# Altium PCB duo_x.PcbDoc (part 1 of 3) (continued)
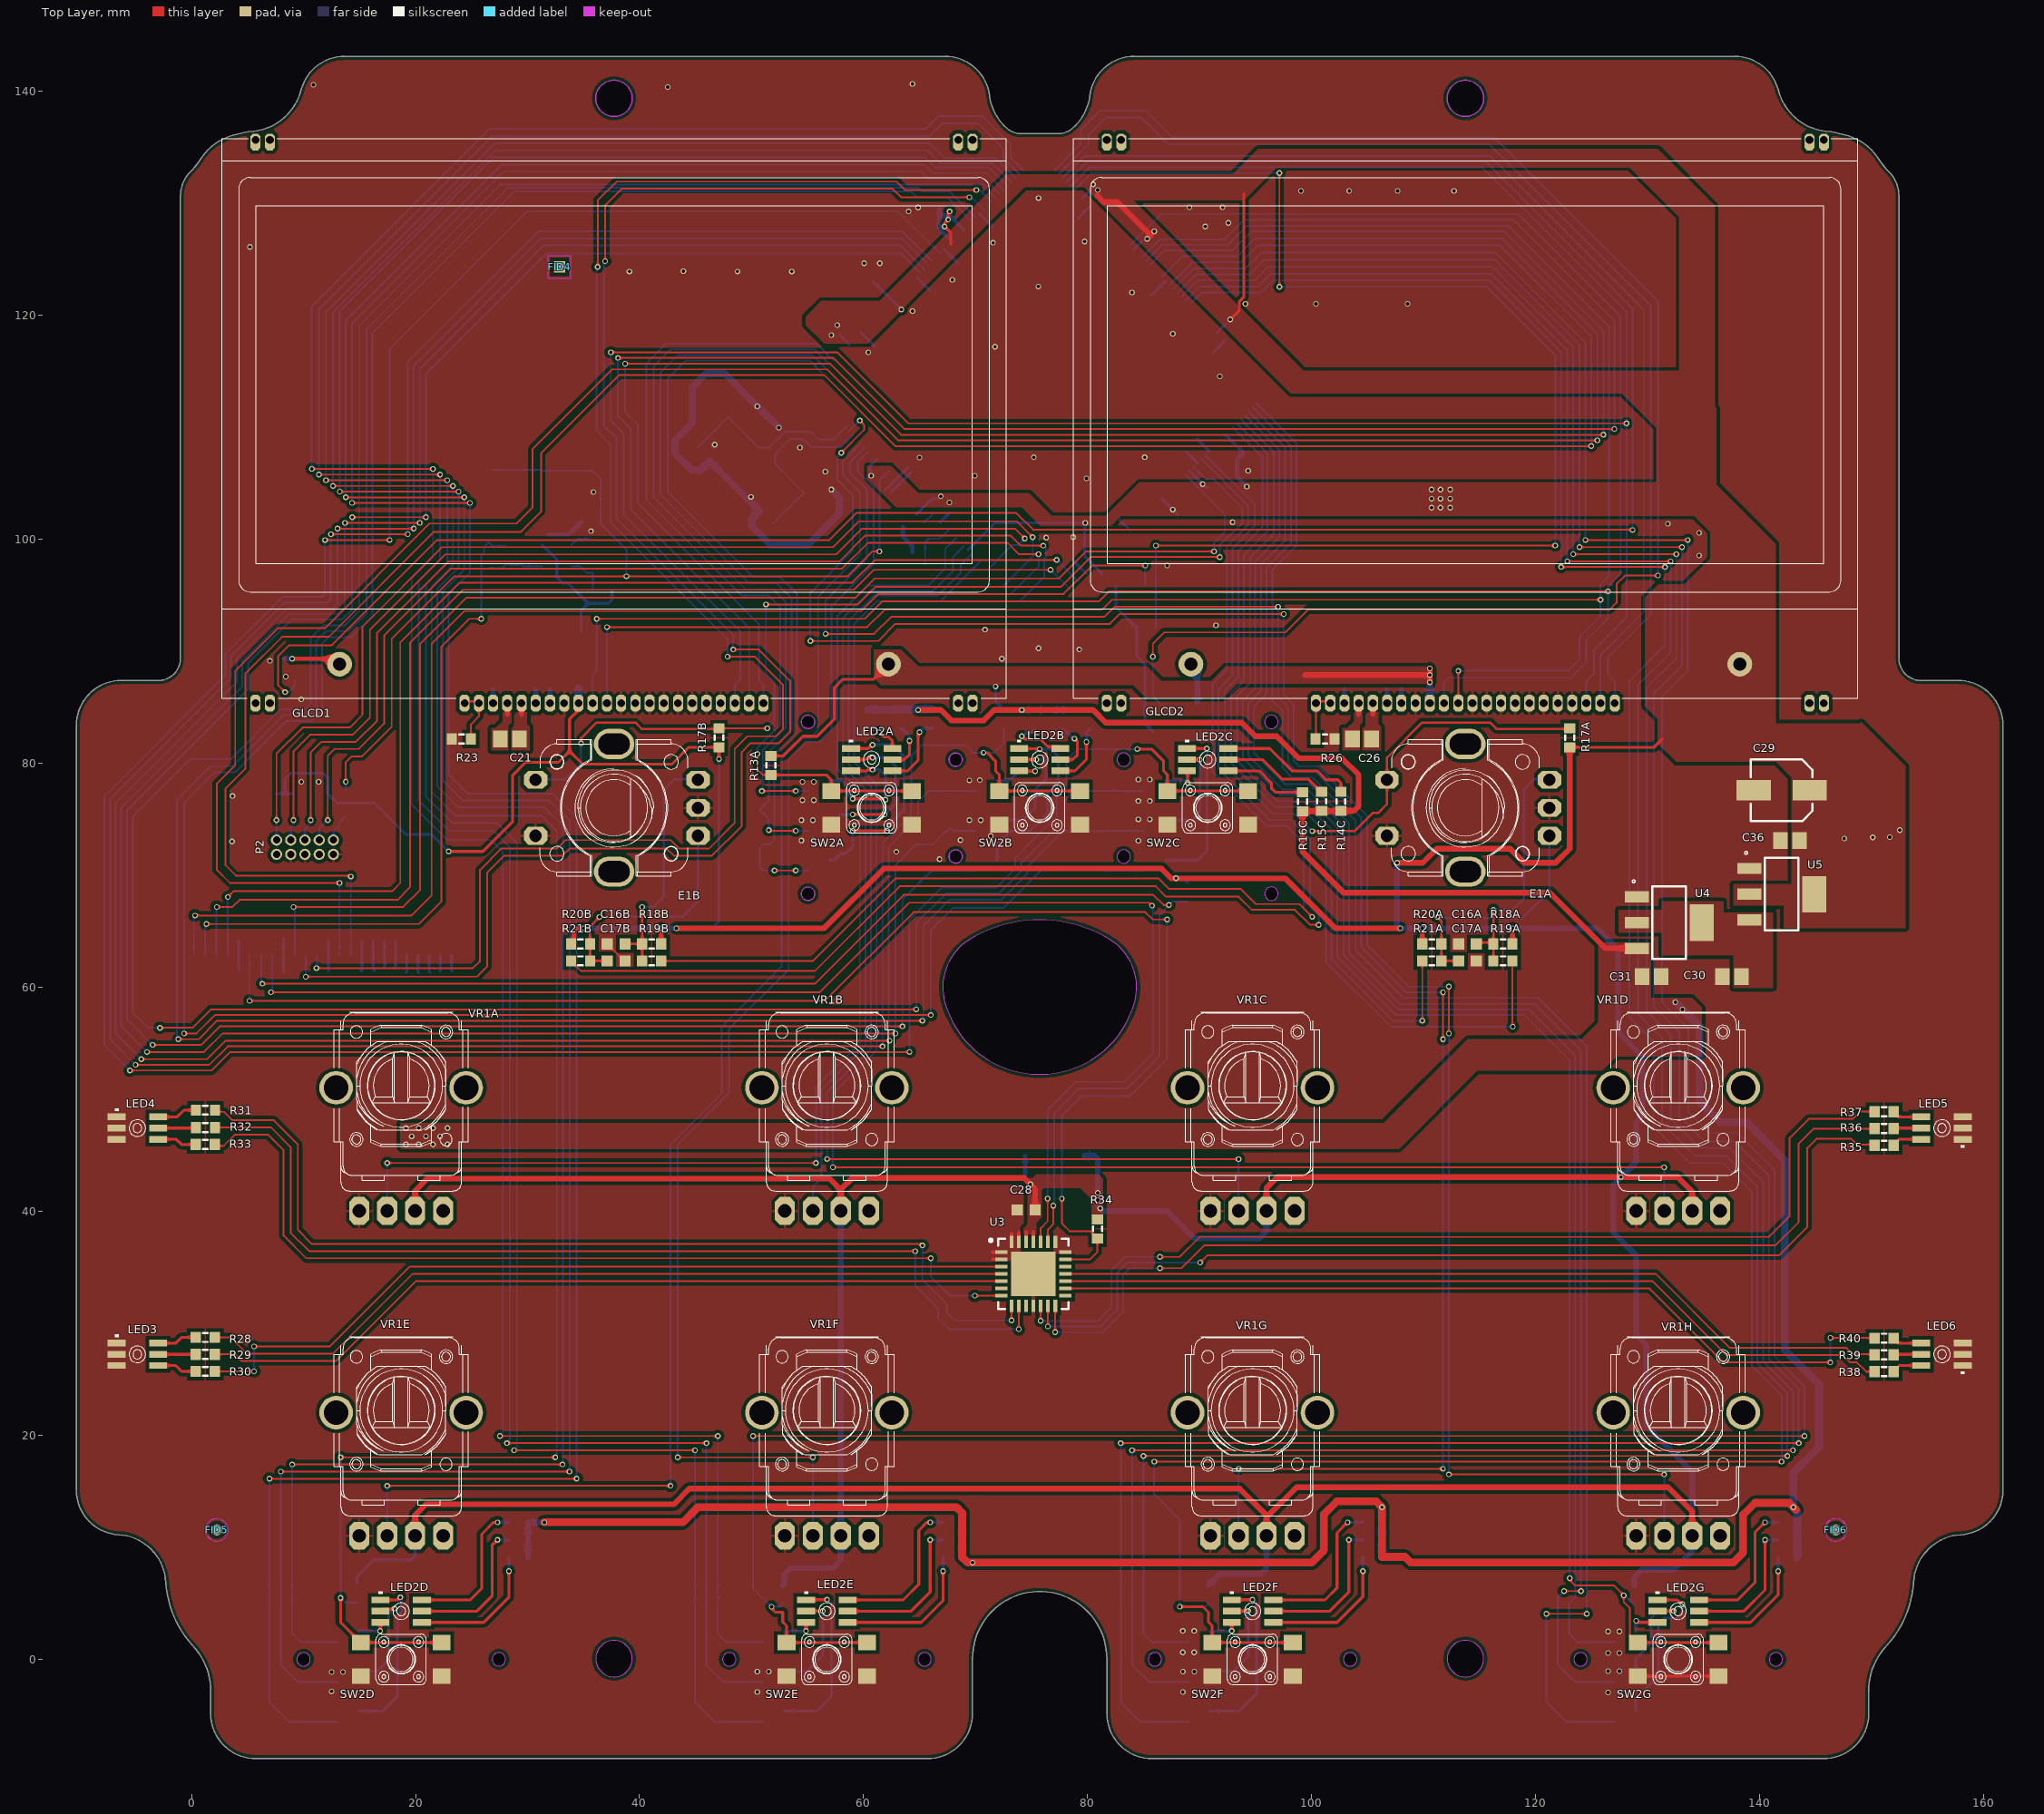
[diagram p0: Top Layer view]
## Components (designator, comment, footprint, x,y, rotation, side; value= is the part's Value field where it differs from the comment)
C1 "0.1uF" CAPC1005N 65.88,99.278 r315 bottom
C2 "39pF" CAPC1608N 51.275,101.981 r135 bottom
C3 "39pF" CAPC1608N 45.687,107.569 r135 bottom
C4 "0.1uF" CAPC1608N 32.528,101.594 r180 bottom
C5 "10uF" CAPC1608N 29.569,98.584 r270 bottom
C6 "0.1uF" CAPC1608N 35.654,103.124 r180 bottom
C7 "0.1uF" CAPC1005N 56.736,120.65 r315 bottom
C8 "0.1uF" CAPC1005N 66.134,128.37 r0 bottom
C9 "0.1uF" CAPC1005N 66.141,129.54 r0 bottom
C10 "0.1uF" CAPC1005N 60.466,123.42 r315 bottom
C11 "0.1uF" CAPC1005N 93.82,119.888 r135 bottom
C12 "0.1uF" CAPC1005N 94.328,107.315 r135 bottom
C13 "0.1uF" CAPC1005N 91.198,104.198 r135 bottom
C14 "0.1uF" CAPC1005N 88.503,101.727 r135 bottom
C15 "10uF" CAPC1608N 55.72,119.761 r315 bottom
C16A "0.01uF" CAPC1608N 113.9,63.888 r0 top (schematic designator C16)
C16B "0.01uF" CAPC1608N 37.9,63.888 r0 top (schematic designator C16)
C17A "0.01uF" CAPC1608N 113.9,62.364 r180 top (schematic designator C17)
C17B "0.01uF" CAPC1608N 37.9,62.364 r180 top (schematic designator C17)
C18 "10uF" CAPC1608N 34.003,91.059 r180 bottom
C19 "0.1uF" CAPC1608N 34.003,89.535 r180 bottom
C20 "0.33uF" CAPC2012N 27.018,90.551 r90 bottom
C21 "2.2uF" CAPC2012N 28.415,82.169 r180 top
C22 "2.2uF" CAPC2012N 30.701,89.789 r180 bottom
C23 "10uF" CAPC1608N 109.949,89.535 r180 bottom
C24 "0.1uF" CAPC1608N 109.949,91.059 r180 bottom
C25 "0.33uF" CAPC2012N 102.921,90.512 r90 bottom
C26 "2.2uF" CAPC2012N 104.488,82.169 r180 top
C27 "2.2uF" CAPC2012N 106.647,89.789 r180 bottom
C28 "0.1uF" CAPC1608N 74.516,40.132 r180 top
C29 "100uF" CAPAE6553X55M 141.953,77.597 r180 top
C30 "22uF" CAPC2012N 137.508,60.96 r0 top
C31 "10uF" CAPC2012N 130.333,60.96 r180 top
C32 "0.1uF" CAPC1005N 82.941,95.334 r135 bottom
C33 "0.1uF" CAPC1005N 63.086,100.711 r45 bottom
C34 "0.1uF" CAPC1005N 82.263,131.699 r180 bottom
C35 "0.1uF" CAPC1005N 88.374,128.016 r180 bottom
C36 "22uF" CAPC2012N 142.685,73.107 r0 top
D1 "1N4148" SOD-323 26.521,98.584 r270 bottom
D2 "1N4148" SOD-323 36.681,100.07 r0 bottom
D3 "1N4148" SOD-323 13.771,76.454 r90 bottom
E1A "PEC11R" PEC11R 113.716,76.035 r90 top (schematic designator E1)
E1B "PEC11R" PEC11R 37.716,76.035 r90 top (schematic designator E1)
FID1 "1mm" FID_1X2MM_R 139.439,125.8 r90 bottom
FID2 "1mm" FID_1X2MM_C 2.253,11.557 r90 bottom
FID3 "1mm" FID_1X2MM_C 146.779,11.557 r90 bottom
FID4 "1mm" FID_1X2MM_R 32.86,124.333 r90 top
FID5 "1mm" FID_1X2MM_C 2.253,11.557 r90 top
FID6 "1mm" FID_1X2MM_C 146.779,11.557 r90 top
GLCD1 "ERC12864FS" ERC12864FS 37.716,110.535 r180 top
GLCD2 "ERC12864FS" ERC12864FS 113.716,110.535 r180 top
L1 "600R" INDC1608N 64.93,98.298 r135 bottom
LED2A "BL-HJXGXBX32N" BL-HJXGXBX32N 60.716,80.335 r0 top (schematic designator LED2)
LED2B "BL-HJXGXBX32N" BL-HJXGXBX32N 75.716,80.335 r0 top (schematic designator LED2)
LED2C "BL-HJXGXBX32N" BL-HJXGXBX32N 90.716,80.335 r0 top (schematic designator LED2)
LED2D "BL-HJXGXBX32N" BL-HJXGXBX32N 18.716,4.3 r0 top (schematic designator LED2)
LED2E "BL-HJXGXBX32N" BL-HJXGXBX32N 56.716,4.3 r0 top (schematic designator LED2)
LED2F "BL-HJXGXBX32N" BL-HJXGXBX32N 94.716,4.3 r0 top (schematic designator LED2)
LED2G "BL-HJXGXBX32N" BL-HJXGXBX32N 132.716,4.3 r0 top (schematic designator LED2)
LED3 "BL-HJXGXBX32N" BL-HJXGXBX32N -4.834,27.235 r0 top
LED4 "BL-HJXGXBX32N" BL-HJXGXBX32N -4.834,47.435 r0 top
LED5 "BL-HJXGXBX32N" BL-HJXGXBX32N 156.266,47.435 r180 top
LED6 "BL-HJXGXBX32N" BL-HJXGXBX32N 156.266,27.235 r180 top
P1 "F51L-1A7H1-11024" F51L-1A7H1-11024 11.742,65.031 r180 bottom locked
P2 "Header 5X2H" HDR2x5_1P27 10.127,72.517 r0 top
Q1 "2N7002" SOT23-3N 86.094,94.996 r270 bottom
Q2A "2N7002" SOT23-3N 55.974,71.374 r0 bottom (schematic designator Q2)
Q2B "2N7002" SOT23-3N 70.974,71.374 r0 bottom (schematic designator Q2)
Q2C "2N7002" SOT23-3N 85.974,71.374 r0 bottom (schematic designator Q2)
Q2D "2N7002" SOT23-3N 13.974,-4.626 r0 bottom (schematic designator Q2)
Q2E "2N7002" SOT23-3N 51.974,-4.626 r0 bottom (schematic designator Q2)
Q2F "2N7002" SOT23-3N 89.974,-4.626 r0 bottom (schematic designator Q2)
Q2G "2N7002" SOT23-3N 127.974,-4.626 r0 bottom (schematic designator Q2)
Q3A "2N7002" SOT23-3N 55.974,74.93 r0 bottom (schematic designator Q3)
Q3B "2N7002" SOT23-3N 70.974,74.93 r0 bottom (schematic designator Q3)
Q3C "2N7002" SOT23-3N 85.974,74.93 r0 bottom (schematic designator Q3)
Q3D "2N7002" SOT23-3N 13.974,-1.07 r0 bottom (schematic designator Q3)
Q3E "2N7002" SOT23-3N 51.974,-1.07 r0 bottom (schematic designator Q3)
Q3F "2N7002" SOT23-3N 89.974,-1.07 r0 bottom (schematic designator Q3)
Q3G "2N7002" SOT23-3N 127.974,-1.07 r0 bottom (schematic designator Q3)
Q4A "2N7002" SOT23-3N 55.974,78.486 r0 bottom (schematic designator Q4)
Q4B "2N7002" SOT23-3N 70.974,78.486 r0 bottom (schematic designator Q4)
Q4C "2N7002" SOT23-3N 85.974,78.486 r0 bottom (schematic designator Q4)
Q4D "2N7002" SOT23-3N 13.974,2.486 r0 bottom (schematic designator Q4)
Q4E "2N7002" SOT23-3N 51.974,2.486 r0 bottom (schematic designator Q4)
Q4F "2N7002" SOT23-3N 89.974,2.486 r0 bottom (schematic designator Q4)
Q4G "2N7002" SOT23-3N 127.974,2.486 r0 bottom (schematic designator Q4)
Q5 "2N7002" SOT23-3N 8.245,88.392 r90 bottom
Q6 "2N7002" SOT23-3N 88.84,85.507 r0 bottom
R1 "10K" RESC1608N 85.239,92.075 r0 bottom
R2 "100K" RESC1608N 78.832,44.958 r0 bottom
R3 "100K" RESC1608N 75.278,44.958 r180 bottom
R4 "100K" RESC1608N 88.916,68.506 r90 bottom
R5 "160K" RESC1608N 28.045,98.584 r270 bottom
R6 "10K" RESC1608N 7.587,76.454 r270 bottom
R7 "10K" RESC1608N 9.111,76.454 r270 bottom
R8 "10K" RESC1608N 12.159,76.454 r270 bottom
R9 "10K" RESC1608N 10.635,76.454 r270 bottom
R10 "10K" RESC1608N 35.654,101.594 r0 bottom
R11 "10K" RESC1608N 36.681,95.498 r0 bottom
R12 "10K" RESC1608N 36.681,97.022 r0 bottom
R13A "10K" RESC1608N 51.72,79.824 r90 top (schematic designator R13)
R13B "10K" RESC1608N 72.518,83.938 r90 bottom (schematic designator R13)
R13C "10K" RESC1608N 85.819,82.013 r90 bottom (schematic designator R13)
R13D "10K" RESC1608N 14.779,5.91 r90 bottom (schematic designator R13)
R13E "10K" RESC1608N 52.779,5.842 r90 bottom (schematic designator R13)
R13F "10K" RESC1608N 90.813,5.83 r90 bottom (schematic designator R13)
R13G "10K" RESC1608N 128.779,5.773 r90 bottom (schematic designator R13)
R14A "560R" RESC1608N 60.384,83.938 r90 bottom (schematic designator R14)
R14B "560R" RESC1608N 75.281,83.899 r90 bottom (schematic designator R14)
R14C "560R" RESC1608N 102.602,76.604 r270 top (schematic designator R14)
R14D "560R" RESC1608N 29.18,12.234 r0 bottom (schematic designator R14)
R14E "560R" RESC1608N 67.945,12.234 r0 bottom (schematic designator R14)
R14F "560R" RESC1608N 105.423,12.234 r0 bottom (schematic designator R14)
R14G "560R" RESC1608N 142.494,12.234 r0 bottom (schematic designator R14)
R15A "470R" RESC1608N 63.34,83.964 r90 bottom (schematic designator R15)
R15B "470R" RESC1608N 77.781,83.938 r90 bottom (schematic designator R15)
R15C "470R" RESC1608N 100.881,76.614 r270 top (schematic designator R15)
R15D "470R" RESC1608N 29.18,10.662 r0 bottom (schematic designator R15)
R15E "470R" RESC1608N 67.945,10.662 r0 bottom (schematic designator R15)
R15F "470R" RESC1608N 105.423,10.662 r0 bottom (schematic designator R15)
R15G "470R" RESC1608N 142.494,10.662 r0 bottom (schematic designator R15)
R16A "470R" RESC1608N 66.122,84.003 r90 bottom (schematic designator R16)
R16B "470R" RESC1608N 80.265,83.938 r90 bottom (schematic designator R16)
R16C "470R" RESC1608N 99.171,76.581 r270 top (schematic designator R16)
R16D "470R" RESC1608N 29.18,9.137 r0 bottom (schematic designator R16)
R16E "470R" RESC1608N 67.945,9.144 r0 bottom (schematic designator R16)
R16F "470R" RESC1608N 105.423,9.144 r0 bottom (schematic designator R16)
R16G "470R" RESC1608N 142.494,9.144 r0 bottom (schematic designator R16)
R17A "10K" RESC1608N 123.03,82.296 r270 top (schematic designator R17)
R17B "10K" RESC1608N 47.084,82.296 r270 top (schematic designator R17)
R18A "10K" RESC1608N 117.075,63.888 r0 top (schematic designator R18)
R18B "10K" RESC1608N 41.075,63.888 r0 top (schematic designator R18)
R19A "10K" RESC1608N 117.075,62.364 r180 top (schematic designator R19)
R19B "10K" RESC1608N 41.075,62.364 r180 top (schematic designator R19)
R20A "10K" RESC1608N 110.725,63.888 r180 top (schematic designator R20)
R20B "10K" RESC1608N 34.725,63.888 r180 top (schematic designator R20)
R21A "10K" RESC1608N 110.725,62.364 r0 top (schematic designator R21)
R21B "10K" RESC1608N 34.725,62.364 r0 top (schematic designator R21)
R22 "10M" RESC1608N 25.24,90.59 r90 bottom
R23 "10K" RESC1608N 24.097,82.169 r0 top
R24A "100K" RESC1608N 49.878,71.48 r180 bottom (schematic designator R24)
R24B "100K" RESC1608N 65.499,70.739 r90 bottom (schematic designator R24)
R24C "100K" RESC1608N 81.38,71.481 r90 bottom (schematic designator R24)
R24D "100K" RESC1608N 6.063,6.096 r180 bottom (schematic designator R24)
R24E "100K" RESC1608N 44.036,6.096 r180 bottom (schematic designator R24)
R24F "100K" RESC1608N 82.136,6.096 r180 bottom (schematic designator R24)
R24G "100K" RESC1608N 120.109,2.921 r180 bottom (schematic designator R24)
R25 "10M" RESC1608N 101.186,90.551 r90 bottom
R26 "10K" RESC1608N 101.186,82.169 r180 top
R27A "100K" RESC1608N 49.878,75.88 r180 bottom (schematic designator R27)
R27B "100K" RESC1608N 66.862,74.286 r180 bottom (schematic designator R27)
R27C "100K" RESC1608N 81.353,74.803 r90 bottom (schematic designator R27)
R27D "100K" RESC1608N 10.424,-2.865 r270 bottom (schematic designator R27)
R27E "100K" RESC1608N 48.23,-2.865 r270 bottom (schematic designator R27)
R27F "100K" RESC1608N 86.327,-2.865 r270 bottom (schematic designator R27)
R27G "100K" RESC1608N 121.125,5.207 r180 bottom (schematic designator R27)
R28 "220R" RESC1608N 1.231,28.744 r180 top
R29 "220R" RESC1608N 1.227,27.235 r180 top
R30 "220R" RESC1608N 1.228,25.713 r180 top
R31 "220R" RESC1608N 1.237,49.037 r180 top
R32 "220R" RESC1608N 1.234,47.479 r180 top
R33 "220R" RESC1608N 1.227,45.971 r180 top
R34 "10K" RESC1608N 80.866,38.442 r270 top
R35 "220R" RESC1608N 151.097,45.898 r0 top
R36 "220R" RESC1608N 151.097,47.404 r0 top
R37 "220R" RESC1608N 151.097,48.902 r0 top
R38 "220R" RESC1608N 151.094,25.681 r0 top
R39 "220R" RESC1608N 151.097,27.18 r0 top
R40 "220R" RESC1608N 151.097,28.672 r0 top
R46A "100K" RESC1608N 49.878,78.994 r180 bottom (schematic designator R46)
R46B "100K" RESC1608N 66.122,76.835 r270 bottom (schematic designator R46)
R46C "100K" RESC1608N 82.911,76.708 r270 bottom (schematic designator R46)
R46D "100K" RESC1608N 9.873,6.096 r0 bottom (schematic designator R46)
R46E "100K" RESC1608N 47.846,6.096 r0 bottom (schematic designator R46)
R46F "100K" RESC1608N 85.881,6.096 r0 bottom (schematic designator R46)
R46G "100K" RESC1608N 123.792,2.921 r0 bottom (schematic designator R46)
SW1 "TL3315NF100Q" TL3315 29.053,107.95 r0 bottom
SW2A "TL3305" TL3305 60.716,76.035 r0 top (schematic designator SW2)
SW2B "TL3305" TL3305 75.716,76.035 r0 top (schematic designator SW2)
SW2C "TL3305" TL3305 90.716,76.035 r0 top (schematic designator SW2)
SW2D "TL3305" TL3305 18.716,0 r0 top (schematic designator SW2)
SW2E "TL3305" TL3305 56.716,0 r0 top (schematic designator SW2)
SW2F "TL3305" TL3305 94.716,0 r0 top (schematic designator SW2)
SW2G "TL3305" TL3305 132.716,0 r0 top (schematic designator SW2)
U1 "LPC1777FBD208" LQFP-208 75.659,113.538 r45 bottom locked
U2 "MCP6001" SOT23-5N 32.617,98.546 r180 bottom
U3 "PCA9685" SOT788-1 75.151,34.417 r0 top
U4 "NCP1117ST50T3G" SOT230P700X180-4N 131.92,65.786 r0 top
U5 "NCP1117ST33T3G" SOT230P700X180-4N 141.953,68.326 r0 top
VR1A "PTV111-3415A" ? 18.716,40.035 r0 top locked (schematic designator VR1)
VR1B "PTV111-3415A" ? 56.716,40.035 r0 top locked (schematic designator VR1)
VR1C "PTV111-3415A" ? 94.716,40.035 r0 top locked (schematic designator VR1)
VR1D "PTV111-3415A" ? 132.716,40.035 r0 top locked (schematic designator VR1)
VR1E "PTV111-3415A" ? 18.716,11.035 r0 top locked (schematic designator VR1)
VR1F "PTV111-3415A" ? 56.716,11.035 r0 top locked (schematic designator VR1)
VR1G "PTV111-3415A" ? 94.716,11.035 r0 top locked (schematic designator VR1)
VR1H "PTV111-3415A" ? 132.716,11.035 r0 top locked (schematic designator VR1)
Y1 "12Mhz" CRYSTAL_HC49SDLF 51.275,107.569 r315 bottom

## Footprints (in the part's own frame and the unit in brackets; to place one, negate y for a bottom-side part, rotate by r counter-clockwise, add the part's x,y. Pads: shape width x height; smd on the part's side, far side on the other; paste and mask are expansions set on the pad)
BL-HJXGXBX32N [mm]
  rect 1.6x0.6 smd: 1(-1.85,1) 2(-1.85,0) 3(-1.85,-1) 4(1.85,-1) 5(1.85,0) 6(1.85,1)
  silkscreen extent -2.03,-0.74 0.74,1.78, body extent -1.75,-1.4 1.75,1.4, height 1.4
CAPAE6553X55M [mm] "Aluminum Electrolytic Capacitor, Body 5.30x5.30x5.50mm, IPC Low Density"
  rect 3.05x1.8 smd: 1(-2.5,0) 2(2.5,0)
  silkscreen extent -2.75,-2.75 2.75,2.75, body extent -3.25,-2.75 3.25,2.75, height 5.5
CAPC1005N [mm] "Chip Capacitor, Body 1.0x0.5mm, IPC Medium Density"
  rect 0.8x0.6 smd: 1(-0.6,0) 2(0.6,0)
  body extent -0.5,-0.25 0.5,0.25, height 0.6
CAPC1608N [mm] "Chip Capacitor, Body 1.6x0.8mm, IPC Medium Density"
  rect 1x1 smd: 1(-0.8,0) 2(0.8,0)
  body extent -0.8,-0.4 0.8,0.4, height 0.9
CAPC2012N [mm] "Chip Capacitor, Body 2.0x1.3mm, IPC Medium Density"
  rect 1.3x1.5 smd: 1(-0.85,0) 2(0.85,0)
  body extent -1,-0.62 1,0.63, height 1
CRYSTAL_HC49SDLF [mil]
  rect 216.5x83 smd paste+0 mask+0: 1(-188.75,0) 2(188.75,0)
  silkscreen extent -236,-103 236,103, body extent -231,-99 231,99, height 177
ERC12864FS [mm]
  oct 0.9x1.5 hole 0.7: 1(-13.335,25.15) 2(-12.065,25.15) 3(-10.795,25.15) 4(-9.525,25.15) 5(-8.255,25.15) 6(-6.985,25.15) 7(-5.715,25.15) 8(-4.445,25.15) 9(-3.175,25.15) 10(-1.905,25.15) 11(-0.635,25.15) 12(0.635,25.15) 13(1.905,25.15) 14(3.175,25.15) 15(4.445,25.15) 16(5.715,25.15) 17(6.985,25.15) 18(8.255,25.15) 19(9.525,25.15) 20(10.795,25.15) 21(12.065,25.15) 22(13.335,25.15) M(-32.005,25.15) M(-30.725,25.15) M(30.725,25.15) M(32.005,25.15)
  round 2.2 hole 1.2: 23(24.5,21.675) 24(-24.5,21.675)
  oct 0.9x1.5 hole 0.7 copper offset 0,0.2: M(-32.005,-25.15) M(-30.725,-25.15) M(30.725,-25.15) M(32.005,-25.15)
  silkscreen extent -35.01,-25.28 34.99,24.72, body extent -35,-25.3 36,25.3, height 5.8
F51L-1A7H1-11024 [mm]
  rect 0.3x1.3 smd: 1(11.526,-2.166) 2(10.526,-2.166) 3(9.526,-2.166) 4(8.526,-2.166) 5(7.526,-2.166) 6(6.526,-2.166) 7(5.526,-2.166) 8(4.526,-2.166) 9(3.526,-2.166) 10(2.526,-2.166) 11(1.526,-2.166) 12(0.526,-2.166) 13(-0.474,-2.166) 14(-1.474,-2.166) 15(-2.474,-2.166) 16(-3.474,-2.166) 17(-4.474,-2.166) 18(-5.474,-2.166) 19(-6.474,-2.166) 20(-7.474,-2.166) 21(-8.474,-2.166) 22(-9.474,-2.166) 23(-10.474,-2.166) 24(-11.474,-2.166)
  rrect50% 1.8x9 smd: M(-14.476,2.167) M(14.476,2.167)
  silkscreen extent -13.18,-1.27 13.23,5.1, body extent -14.87,-2.44 14.93,5.13, height 2.5
FID_1X2MM_C [mm]
  round 1 smd paste-1 mask+0.5: F(0,0)
  Top Layer keep-out circle w0.1: c0,0 r1
FID_1X2MM_R [mm]
  rect 1x1 smd paste-1 mask+0.5: F(0,0)
  Top Layer keep-out lines w0.1: -1.016,-1.016 1.016,-1.016 1.016,1.016 -1.016,1.016 -1.016,-1.016
HDR2x5_1P27 [mm]
  round 1 hole 0.65: 1(-2.54,-0.635) 2(-2.54,0.635) 3(-1.27,-0.635) 4(-1.27,0.635) 5(0,-0.635) 6(0,0.635) 7(1.27,-0.635) 8(1.27,0.635) 9(2.54,-0.635) 10(2.54,0.635)
INDC1608N [mm] "Chip Inductor, Body 1.6x0.8mm, IPC Medium Density"
  rect 1x1 smd: 1(-0.8,0) 2(0.8,0)
  silkscreen extent -1.6,-0.4 -1.6,0.4, body extent -0.8,-0.4 0.8,0.4, height 0.79
LQFP-208 [mm]
  rect 1.45x0.3 smd: 1(-14.725,12.75) 2(-14.725,12.25) 3(-14.725,11.75) 4(-14.725,11.25) 5(-14.725,10.75) 6(-14.725,10.25) 7(-14.725,9.75) 8(-14.725,9.25) 9(-14.725,8.75) 10(-14.725,8.25) 11(-14.725,7.75) 12(-14.725,7.25) 13(-14.725,6.75) 14(-14.725,6.25) 15(-14.725,5.75) 16(-14.725,5.25) 17(-14.725,4.75) 18(-14.725,4.25) 19(-14.725,3.75) 20(-14.725,3.25) 21(-14.725,2.75) 22(-14.725,2.25) 23(-14.725,1.75) 24(-14.725,1.25) 25(-14.725,0.75) 26(-14.725,0.25) 27(-14.725,-0.25) 28(-14.725,-0.75) 29(-14.725,-1.25) 30(-14.725,-1.75) 31(-14.725,-2.25) 32(-14.725,-2.75) 33(-14.725,-3.25) 34(-14.725,-3.75) 35(-14.725,-4.25) 36(-14.725,-4.75) 37(-14.725,-5.25) 38(-14.725,-5.75) 39(-14.725,-6.25) 40(-14.725,-6.75) 41(-14.725,-7.25) 42(-14.725,-7.75) 43(-14.725,-8.25) 44(-14.725,-8.75) 45(-14.725,-9.25) 46(-14.725,-9.75) 47(-14.725,-10.25) 48(-14.725,-10.75) 49(-14.725,-11.25) 50(-14.725,-11.75) 51(-14.725,-12.25) 52(-14.725,-12.75) 105(14.725,-12.75) 106(14.725,-12.25) 107(14.725,-11.75) 108(14.725,-11.25) 109(14.725,-10.75) 110(14.725,-10.25) 111(14.725,-9.75) 112(14.725,-9.25) 113(14.725,-8.75) 114(14.725,-8.25) 115(14.725,-7.75) 116(14.725,-7.25) 117(14.725,-6.75) 118(14.725,-6.25) 119(14.725,-5.75) 120(14.725,-5.25) 121(14.725,-4.75) 122(14.725,-4.25) 123(14.725,-3.75) 124(14.725,-3.25) 125(14.725,-2.75) 126(14.725,-2.25) 127(14.725,-1.75) 128(14.725,-1.25) 129(14.725,-0.75) 130(14.725,-0.25) 131(14.725,0.25) 132(14.725,0.75) 133(14.725,1.25) 134(14.725,1.75) 135(14.725,2.25) 136(14.725,2.75) 137(14.725,3.25) 138(14.725,3.75) 139(14.725,4.25) 140(14.725,4.75) 141(14.725,5.25) 142(14.725,5.75) 143(14.725,6.25) 144(14.725,6.75) 145(14.725,7.25) 146(14.725,7.75) 147(14.725,8.25) 148(14.725,8.75) 149(14.725,9.25) 150(14.725,9.75) 151(14.725,10.25) 152(14.725,10.75) 153(14.725,11.25) 154(14.725,11.75) 155(14.725,12.25) 156(14.725,12.75)
  rect 0.3x1.45 smd: 53(-12.75,-14.725) 54(-12.25,-14.725) 55(-11.75,-14.725) 56(-11.25,-14.725) 57(-10.75,-14.725) 58(-10.25,-14.725) 59(-9.75,-14.725) 60(-9.25,-14.725) 61(-8.75,-14.725) 62(-8.25,-14.725) 63(-7.75,-14.725) 64(-7.25,-14.725) 65(-6.75,-14.725) 66(-6.25,-14.725) 67(-5.75,-14.725) 68(-5.25,-14.725) 69(-4.75,-14.725) 70(-4.25,-14.725) 71(-3.75,-14.725) 72(-3.25,-14.725) 73(-2.75,-14.725) 74(-2.25,-14.725) 75(-1.75,-14.725) 76(-1.25,-14.725) 77(-0.75,-14.725) 78(-0.25,-14.725) 79(0.25,-14.725) 80(0.75,-14.725) 81(1.25,-14.725) 82(1.75,-14.725) 83(2.25,-14.725) 84(2.75,-14.725) 85(3.25,-14.725) 86(3.75,-14.725) 87(4.25,-14.725) 88(4.75,-14.725) 89(5.25,-14.725) 90(5.75,-14.725) 91(6.25,-14.725) 92(6.75,-14.725) 93(7.25,-14.725) 94(7.75,-14.725) 95(8.25,-14.725) 96(8.75,-14.725) 97(9.25,-14.725) 98(9.75,-14.725) 99(10.25,-14.725) 100(10.75,-14.725) 101(11.25,-14.725) 102(11.75,-14.725) 103(12.25,-14.725) 104(12.75,-14.725) 157(12.75,14.725) 158(12.25,14.725) 159(11.75,14.725) 160(11.25,14.725) 161(10.75,14.725) 162(10.25,14.725) 163(9.75,14.725) 164(9.25,14.725) 165(8.75,14.725) 166(8.25,14.725) 167(7.75,14.725) 168(7.25,14.725) 169(6.75,14.725) 170(6.25,14.725) 171(5.75,14.725) 172(5.25,14.725) 173(4.75,14.725) 174(4.25,14.725) 175(3.75,14.725) 176(3.25,14.725) 177(2.75,14.725) 178(2.25,14.725) 179(1.75,14.725) 180(1.25,14.725) 181(0.75,14.725) 182(0.25,14.725) 183(-0.25,14.725) 184(-0.75,14.725) 185(-1.25,14.725) 186(-1.75,14.725) 187(-2.25,14.725) 188(-2.75,14.725) 189(-3.25,14.725) 190(-3.75,14.725) 191(-4.25,14.725) 192(-4.75,14.725) 193(-5.25,14.725) 194(-5.75,14.725) 195(-6.25,14.725) 196(-6.75,14.725) 197(-7.25,14.725) 198(-7.75,14.725) 199(-8.25,14.725) 200(-8.75,14.725) 201(-9.25,14.725) 202(-9.75,14.725) 203(-10.25,14.725) 204(-10.75,14.725) 205(-11.25,14.725) 206(-11.75,14.725) 207(-12.25,14.725) 208(-12.75,14.725)
  silkscreen extent -14.85,-13.6 13.6,13.6, body extent -15,-15 15,15, height 1.6
PEC11R [mm]
  oct 1.6x2.1 hole 1.1: 1(-2.5,7) 2(2.5,7) A(-2.5,-7.5) B(2.5,-7.5) C(0,-7.5)
  oval 2.7x3.6 hole 1.9 slot 2.8 at 90 deg: M(-5.7,0) M(5.7,0)
  silkscreen extent -6.1,-6.6 6.1,6.6, body extent -7,-7.7 7,7.2, height 21.6
RESC1608N [mm] "Chip Resistor, Body 1.6x0.8mm, IPC Medium Density"
  rect 0.9x1 smd: 1(-0.85,0) 2(0.85,0)
  silkscreen extent -0.2,-0.4 0.2,0.4, body extent -0.8,-0.45 0.8,0.45, height 0.5
SOD-323 [mm]
  rect 0.7x0.45 smd: 1(-1.15,0) 2(1.15,0)
  silkscreen extent -0.51,-0.38 -0.51,0.38, body extent -1.3,-0.67 1.3,0.67, height 1.1
SOT23-3N [mm] "SOT23, 3-Leads, Body 2.9x1.3mm, Pitch 0.95mm, Lead Span 2.5mm, IPC Medium Density"